# Altium PCB EmberNet Pod Layout.PcbDoc (part 1 of 2) (continued)
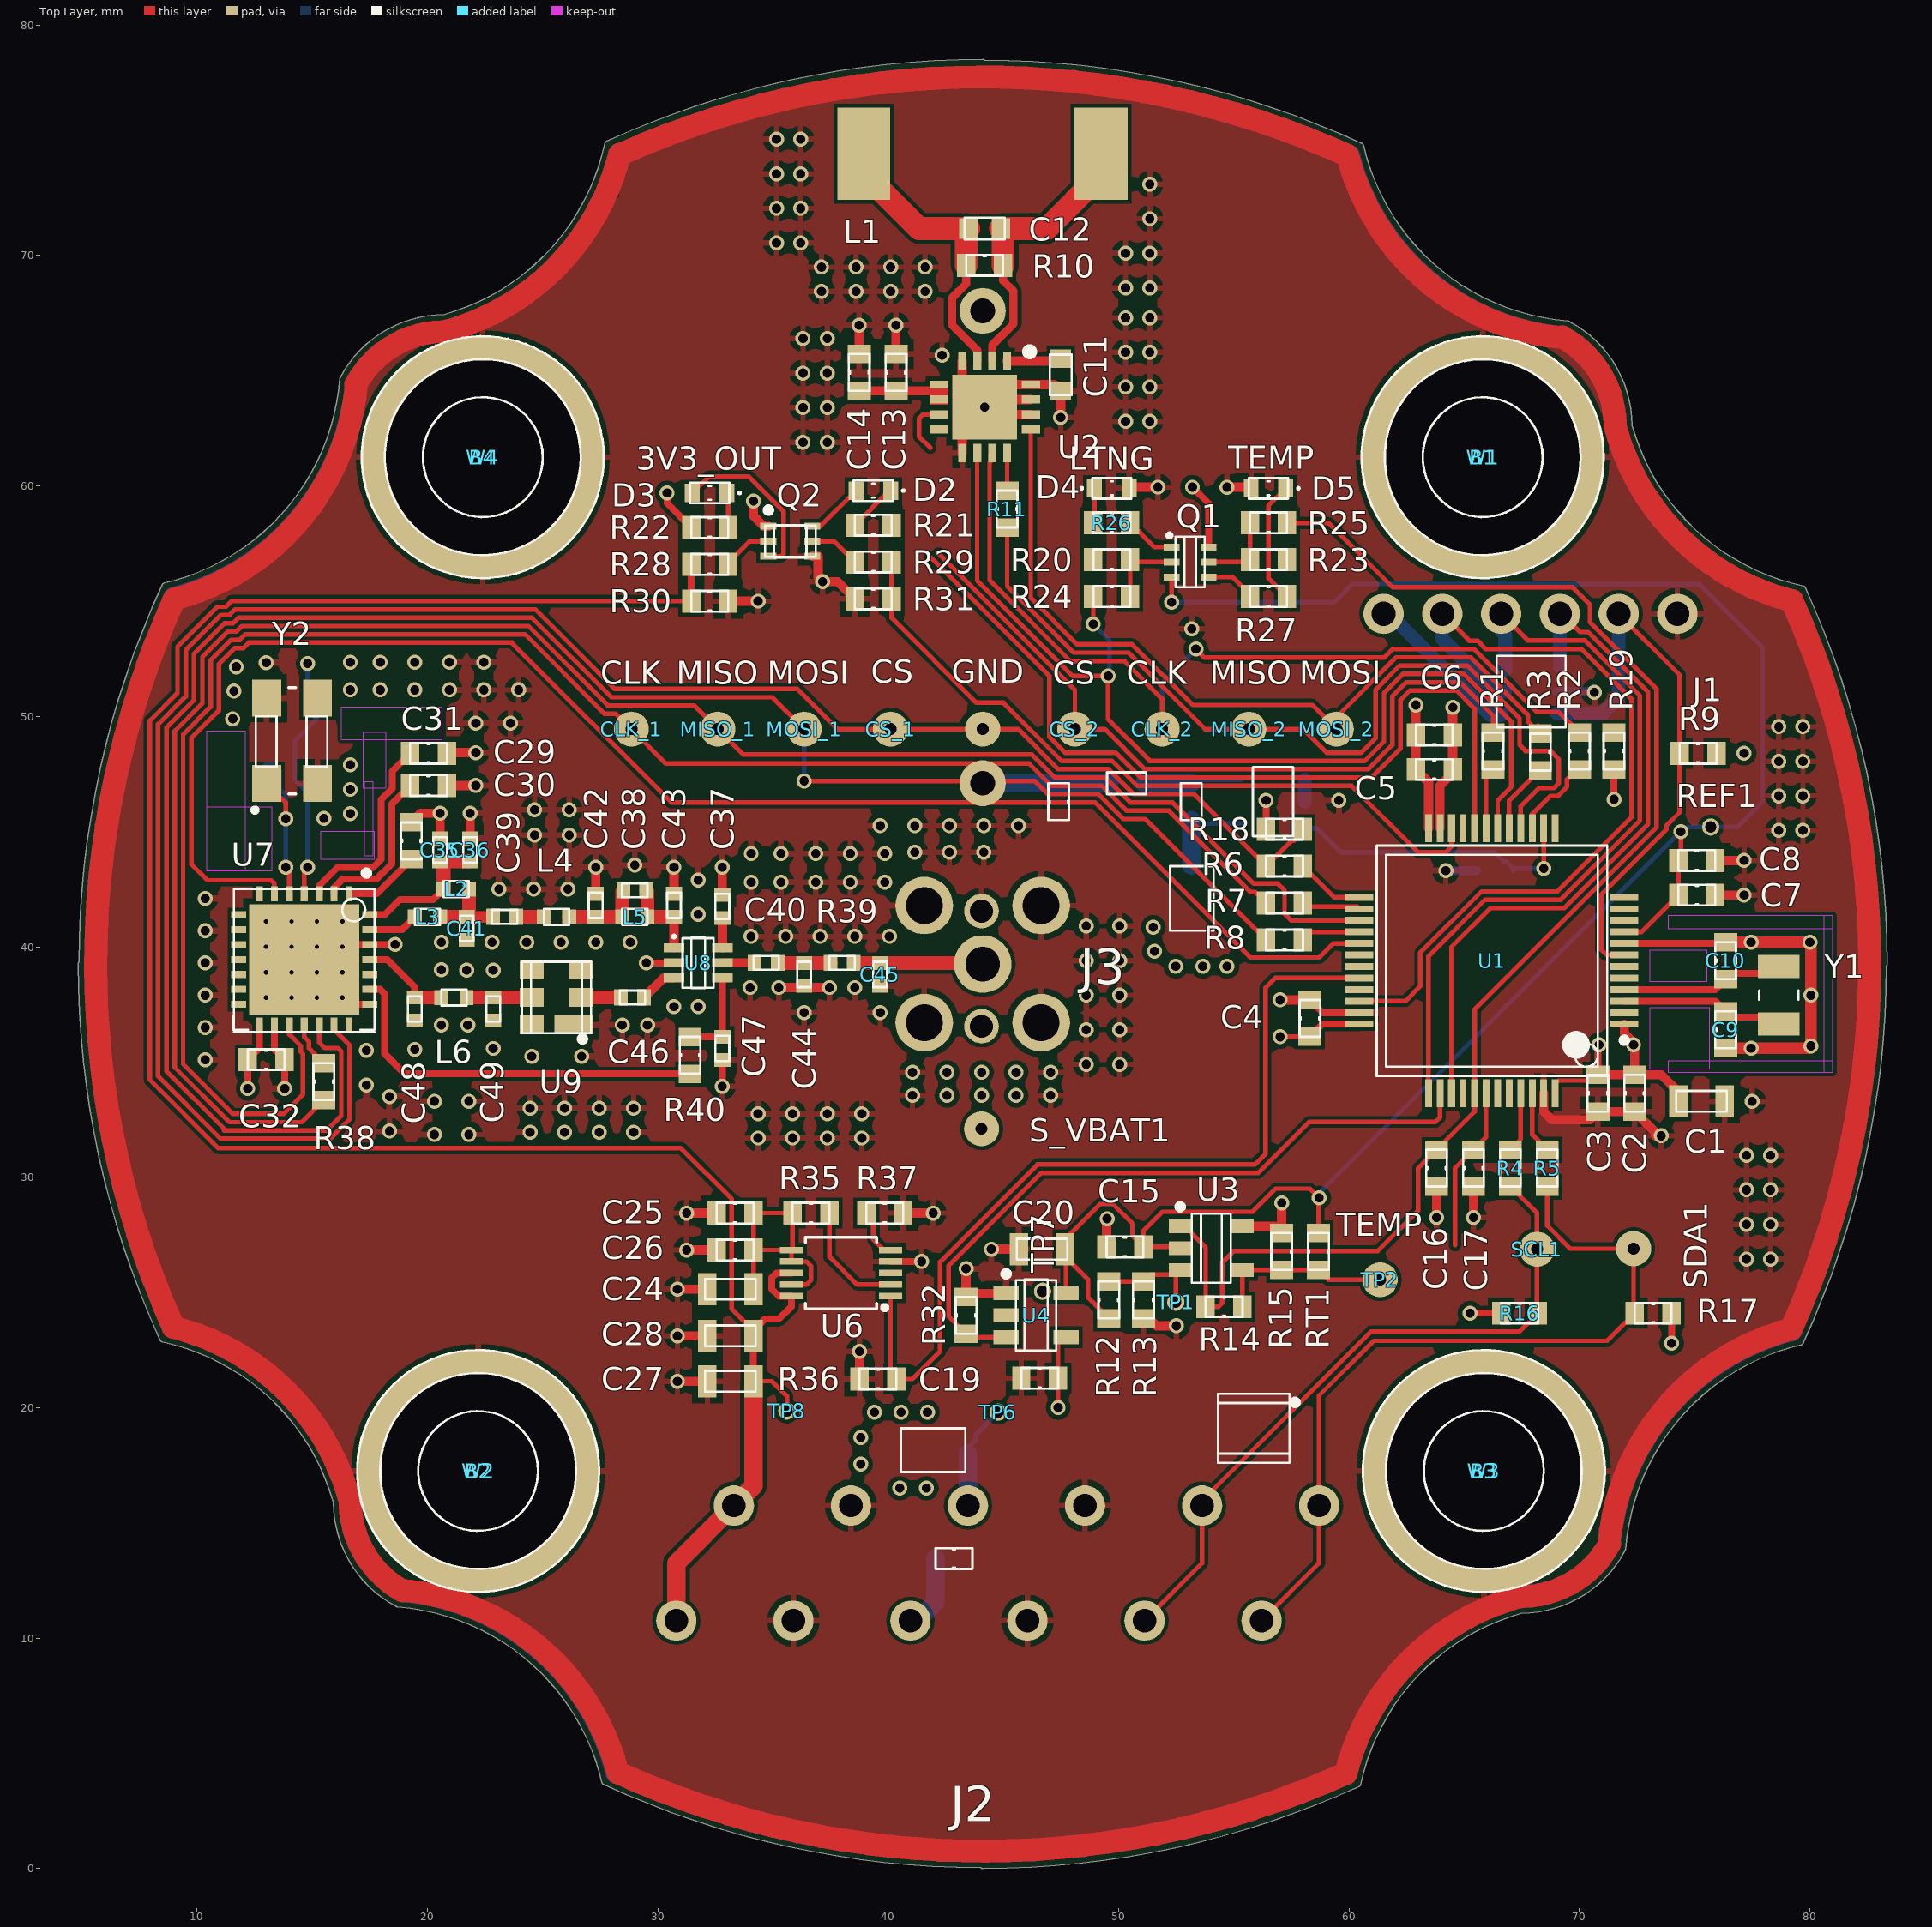
[diagram p0: Top Layer view]
## Board outline (continued)

## Design rules (kind name [scope] priority, off if disabled: settings)
Clearance [All] p1: gap=0.16 ignorepadtopadclearanceinfootprint=FALSE except(0.1: Arc-Text Track-Text SMDPad-Text THPad-Text Via-Text Fill-Text Poly-Text Region-Text Text-Text Text-Hole; 0.2: Arc-Via Track-Via SMDPad-Via THPad-Via Via-Via Via-Fill Via-Poly Via-Region Via-Hole)
PolygonConnect [All] p1: connectstyle=Relief reliefconductorwidth=0.254 reliefentries=4 polygonreliefangle="90 Angle" airgapwidth=0.254
RoutingVias [All] p1: holewidth=0.711 width=1.27 viastyle="Through Hole" minholewidth=0.711 minwidth=1.27 maxholewidth=0.711 maxwidth=1.27
SolderMaskExpansion [All] p1: expansion=0.102
Width [All] p1: maxlimit=1 minlimit=0.2 preferedwidth=0.2 minimp=50.000000 maximp=50.000000 favimp=50.000000
30 further rules are at their usual default settings.

## Classes and differential pairs
component class Sensors: C11 C12 C13 C14 C15 C16 C17 L1 R10 R11 R12 R13 R14 R15 RT1 TP1 TP2 U2 U3
component class "Power Stage": BAT1 C18 C19 C20 C21 C22 C23 C24 C25 C26 C27 C28 D6 D7 D8 GND J2 R32 R33 R34 R35 R36 R37 REF1 S_VBAT1 TP6 TP7 TP8 U4 U5 U6
component class "Off-Board Sensors": B5 B6 B7 C50 C51 C52 C53 C54 C55 D9 GND1 J4 Q3 R41 R42 R43 R44 R45 R46 S_SCL1 S_SDA1 SCL_1 SDA_1 TP25 U10 U11 U12 U13 VBAT1 W5 W6 W7
component class "Microcontroller Interface": C1 C2 C3 C4 C5 C6 C7 C8 C9 C10 D1 J1 R1 R2 R3 R4 R5 R6 R7 R8 R9 U1 Y1
component class "LoRa Transceiver": C29 C30 C31 C32 C33 C34 C35 C36 C37 C38 C39 C40 C41 C42 C43 C44 C45 C46 C47 C48 C49 J3 L2 L3 L4 L5 L6 R38 R39 R40 U7 U8 U9 Y2
component class Debug: B1 B2 B3 B4 CLK_1 CLK_2 CS_1 CS_2 D2 D3 D4 D5 MISO_1 MISO_2 MOSI_1 MOSI_2 Q1 Q2 R16 R17 R18 R19 R20 R21 R22 R23 R24 R25 R26 R27 R28 R29 R30 R31 SCL1 SDA1 W1 W2 W3 W4

## Components (designator, comment, footprint, x,y, rotation, side; value= is the part's Value field where it differs from the comment)
B1 "91290A123" "M5 SHCP" 65.8,61.25 r0 top
B2 "91290A123" "M5 SHCP" 22.2,17.25 r0 top
B3 "91290A123" "M5 SHCP" 65.85,17.25 r0 top
B4 "91290A123" "M5 SHCP" 22.4,61.25 r0 top
B5 "91290A123" "M3 SHCS" 118.1,146.15 r0 top
B6 "91290A123" "M3 SHCS" 145.45,157.95 r0 top
B7 "91290A123" "M3 SHCS" 145.5,134.416 r0 top
BAT1 "CR2450" "24.5 COIN CELL BATTERY HOLDER" 44.1,47.1 r0 bottom
C1 "CL21A475KACLRNC" "0805 CAPACITOR" 75.3,33.295 r180 top value=4.7uF
C2 "885012106022" "0603 CAPACITOR" 72.4,33.645 r90 top value=1uF
C3 "885012206046" "0603 CAPACITOR" 70.8,33.645 r90 top value=100nF
C4 "885012206046" "0603 CAPACITOR" 58.3,36.895 r270 top value=100nF
C5 "885012206046" "0603 CAPACITOR" 63.7,47.695 r180 top value=100nF
C6 "885012206046" "0603 CAPACITOR" 63.7,49.195 r180 top value=100nF
C7 "885012106022" "0603 CAPACITOR" 75.1,42.245 r180 top value=1uF
C8 "885012206046" "0603 CAPACITOR" 75.1,43.745 r180 top value=100nF
C9 "GQM1885C2A6R8CB01D" "0603 CAPACITOR" 76.35,36.4 r90 top value=6.8pF
C10 "GQM1885C2A6R8CB01D" "0603 CAPACITOR" 76.35,39.4 r90 top value=6.8pF
C11 "GRM21BR61E106MA73L" 1608[0603] 47.485,64.825 r90 top value=10uF
C12 "GRM1885C1H102JA01J" 1608[0603] 44.185,71.175 r0 top value=1nF
C13 "885012106022" "0603 CAPACITOR" 40.335,64.925 r270 top value=1uF
C14 "885012106022" "0603 CAPACITOR" 38.735,64.925 r270 top value=1uF
C15 "885012106022" "0603 CAPACITOR" 50.275,26.978 r0 top value=1uF
C16 "885012206046" "0603 CAPACITOR" 63.8,30.395 r90 top value=100nF
C17 "885012206046" "0603 CAPACITOR" 65.4,30.395 r90 top value=100nF
C18 "DB-5R5D105T" DB-5R5D105T 44.05,36.55 r90 bottom value=1F
C19 "885012206046" "0603 CAPACITOR" 46.575,21.278 r0 top value=100nF
C20 "GRM21BR61E106MA73L" "0805 CAPACITOR" 46.675,26.878 r0 top value=10uF
C21 "885012206046" "0603 CAPACITOR" 42.85,13.45 r180 bottom value=100nF
C22 "885012206046" "0603 CAPACITOR" 66.32,43.3 r0 bottom value=100nF
C23 "885012206046" "0603 CAPACITOR" 47.4,46.3 r90 bottom value=100nF
C24 "CL21A475KACLRNC" "0805 CAPACITOR" 33.15,25.142 r0 top value=4.7uF
C25 "885012206046" "0603 CAPACITOR" 33.35,28.442 r0 top value=100nF
C26 "885012206046" "0603 CAPACITOR" 33.35,26.842 r0 top value=100nF
C27 "GRM21BR61E106MA73L" "0805 CAPACITOR" 33.15,21.142 r0 top value=10uF
C28 "GRM21BR61E106MA73L" "0805 CAPACITOR" 33.15,23.116 r0 top value=10uF
C29 "885012206046" "0603 CAPACITOR" 20.05,48.4 r180 top value=100nF
C30 "885012206046" "0603 CAPACITOR" 20.05,47 r180 top value=100nF
C31 "885012206046" "0603 CAPACITOR" 19.3,44.6 r270 top value=100nF
C32 "885012206046" "0603 CAPACITOR" 13,35.1 r180 top value=100nF
C33 "GQM2195C2E140JB12D" "0805 Capacitor" 15.2,48.9 r90 bottom value=14pF
C34 "GQM2195C2E140JB12D" "0805 Capacitor" 13,48.9 r90 bottom value=14pF
C35 "GCM155R71E103KA37D" "0402 CAPACITOR" 20.55,44.2 r90 top value=10nF
C36 "GCM1555C1H470JA16D" "0402 CAPACITOR" 21.85,44.2 r270 top value=47pF
C37 "GCM155R71H102KA37D" "0402 CAPACITOR" 32.8,41.75 r90 top value=1nF
C38 "GJM1555C1H1R2CB01D" "0402 CAPACITOR" 29,42.45 r180 top value=1.2pF
C39 "GCM1555C1H220JA16D" "0402 CAPACITOR" 23.35,41.3 r0 top value=22pF
C40 "GCM1555C1H470JA16D" "0402 CAPACITOR" 34.7,39.3 r180 top value=47pF
C41 "GCM1555C1H8R2CA16D" "0402 CAPACITOR" 21.7,40.8 r90 top value=8.2pF
C42 "GCM1555C1H8R2CA16D" "0402 CAPACITOR" 27.3,41.8 r270 top value=8.2pF
C43 "GJM1555C1H3R3CB01D" "0402 CAPACITOR" 30.7,41.8 r270 top value=3.3pF
C44 "GJM1555C1H3R3CB01D" "0402 CAPACITOR" 36.35,38.8 r90 top value=3.3pF
C45 "GJM1555C1H3R3CB01D" "0402 CAPACITOR" 39.65,38.8 r90 top value=3.3pF
C46 "GCM1555C1H470JA16D" "0402 CAPACITOR" 28.9,37.8 r180 top value=47pF
C47 "GCM155R71H102KA37D" "0402 CAPACITOR" 32.8,35.59 r270 top value=1nF
C48 "GJM1555C1H3R3CB01D" "0402 CAPACITOR" 19.45,37.3 r90 top value=3.3pF
C49 "GJM1555C1H3R3CB01D" "0402 CAPACITOR" 22.85,37.3 r90 top value=3.3pF
C50 "885012206046" "0603 CAPACITOR" 154.055,150.45 r90 top value=100nF
C51 "885012106022" "0603 CAPACITOR" 148.2,151.5 r90 top value=1uF
C52 "885012206046" "0603 CAPACITOR" 152.695,139.88 r90 top value=100nF
C53 "885012206046" "0603 CAPACITOR" 150.265,137.81 r0 top value=100nF
C54 "885012106022" "0603 CAPACITOR" 141.8,151.3 r90 top value=1uF
C55 "CL21A475KACLRNC" "0805 CAPACITOR" 147.3,140.05 r90 top value=4.7uF
CLK_1 "5003" "5004 test point" 28.85,49.45 r270 top
CLK_2 "5003" "5004 test point" 51.885,49.45 r90 top
CS_1 "5003" "5004 test point" 40.1,49.45 r270 top
CS_2 "5003" "5004 test point" 48.1,49.45 r90 top
D1 "NSP4201MR6T1G" NSP4201MR6T1G#1 67.9,51.08 r180 bottom
D2 "TLMO1000-GS08" TLMO1000-GS08 39.35,59.8 r180 top
D3 "APHD1608LCGCK" APHD1608LCGCK 32.25,59.7 r180 top
D4 "TLMS1000-GS08" TLMS1000-GS08 49.7,59.9 r0 top
D5 "TLMS1000-GS08" TLMS1000-GS08 56.5,59.9 r180 top
D6 "PMEG2010ER,115" PMEG2010ER,115 41.95,18.15 r180 bottom
D7 "PMEG2010ER,115" PMEG2010ER,115 53.17,42.1 r270 bottom
D8 "NSP4201MR6T1G" NSP4201MR6T1G#2 55.86,19.1 r270 bottom
D9 "NSP4201MR6T1G" NSP4201MR6T1G#1 138.1,146.5 r180 bottom
Designator19 "Comment" "MAIN PLATFORM" 44.05,39.3 r90 bottom
Designator21 "Comment" "SENSOR PLATFORM" 135.65,145.85 r90 top
GND "5003" "5004 TEST POINT" 44.1,49.45 r0 top
GND1 "5003" "5004 test point" 119,139.75 r180 top
J1 "SSW-106-01-T-S" PPTC061LFBN-RC 61.5,54.45 r0 top
J2 "1986775-6" 1986775-6 30.8,10.75 r0 top
J3 "5-1814832-1" 5-1814832-1 44.1,39.25 r0 top
J4 "T4141012041-000" CONN4_T414101204 133.9,143.35 r180 top
L1 "100uH" MA5532 39.585,72.875 r0 top value=MA5532
L2 "LQW15AN33NJ00D" "0402 INDUCTOR" 21.25,42.5 r180 top value=33nH
L3 "LQW15AN2N7D00D" "0402 INDUCTOR" 20,41.3 r0 top value=2.7nH
L4 "LQW15AN5N6C10D" "0402 INDUCTOR" 25.6,41.3 r0 top value=5.6nH
L5 "LQW15AN5N6C10D" "0402 INDUCTOR" 29,41.3 r0 top value=5.6nH
L6 "LQG15HS10NJ02D" "0402 INDUCTOR" 21.15,37.8 r0 top value=10nH
MISO_1 "5003" "5004 test point" 32.6,49.45 r270 top
MISO_2 "5003" "5004 test point" 55.65,49.45 r90 top
MOSI_1 "5003" "5004 test point" 36.35,49.45 r270 top
MOSI_2 "5003" "5004 test point" 59.45,49.45 r90 top
Q1 "BSD 223P" "BSD 223P" 53.1,56.7 r0 top
Q2 "NTJD5121NT1G" NTJD5121NT1G 35.75,57.6 r0 top
Q3 "NTJD5121NT1G" NTJD5121NT1G 150.05,143.9 r180 top
R1 "CRCW060333R0FKEAC" "0603 RESISTOR" 66.25,48.5 r270 top value=33R
R2 "CRCW060333R0FKEAC" "0603 RESISTOR" 70,48.5 r90 top value=33R
R3 "CRCW060333R0FKEAC" "0603 RESISTOR" 68.3,48.45 r90 top value=33R
R4 "CRCW060333R0FKEAC" "0603 RESISTOR" 67,30.395 r90 top value=33R
R5 "CRCW060333R0FKEAC" "0603 RESISTOR" 68.6,30.395 r90 top value=33R
R6 "CRCW060333R0FKEAC" "0603 RESISTOR" 57.2,43.5 r0 top value=33R
R7 "CRCW060333R0FKEAC" "0603 RESISTOR" 57.2,41.895 r0 top value=33R
R8 "CRCW060333R0FKEAC" "0603 RESISTOR" 57.2,40.295 r0 top value=33R
R9 "RC0603FR-0710KL" "0603 RESISTOR" 75.15,48.4 r0 top value=10k
R10 "RC0603FR-0710KL" "0603 RESISTOR" 44.185,69.575 r0 top value=10k
R11 "CRCW060333R0FKEAC" "0603 RESISTOR" 45.16,59 r90 top value=33R
R12 "RC0603FR-0742K2L" "0603 RESISTOR" 49.575,24.678 r270 top value=42.2k
R13 "CR0603-FX-2003ELF" "0603 RESISTOR" 51.075,24.678 r90 top value=200k
R14 "RT0603FRE07220KL" "0603 RESISTOR" 54.575,24.378 r180 top value=220k
R15 "ERA-3AEB104V" "0603 RESISTOR" 57.075,26.778 r270 top value=100k
R16 "ERJ-3EKF4701V" "0603 RESISTOR" 67.4,24.1 r180 top value=4K7
R17 "ERJ-3EKF4701V" "0603 RESISTOR" 73.2,24.1 r0 top value=4K7
R18 "RC0603FR-0710KL" "0603 RESISTOR" 57.2,45.1 r180 top value=10k
R19 "RC0603FR-0710KL" "0603 RESISTOR" 71.5,48.5 r270 top value=10k
R20 "ERA-3AEB104V" "0603 RESISTOR" 49.7,56.8 r180 top value=100k
R21 "ERJ-3EKF9090V" "0603 RESISTOR" 39.35,58.3 r0 top value=909R
R22 "ERJ-3EKF9090V" "0603 RESISTOR" 32.25,58.2 r180 top value=909R
R23 "ERA-3AEB104V" "0603 RESISTOR" 56.5,56.8 r0 top value=100k
R24 "ERJ-3GEYJ132V" "0603 RESISTOR" 49.7,55.2 r180 top value=1K3
R25 "ERJ-3GEYJ132V" "0603 RESISTOR" 56.5,58.4 r0 top value=1K3
R26 "ERJ-3EKF9090V" "0603 RESISTOR" 49.7,58.4 r0 top value=909R
R27 "ERJ-3EKF6190V" "0603 RESISTOR" 56.5,55.2 r180 top value=604R
R28 "ERJ-3GEYJ132V" "0603 RESISTOR" 32.25,56.6 r180 top value=1K3
R29 "ERJ-3GEYJ132V" "0603 RESISTOR" 39.35,56.7 r0 top value=1K3
R30 "ERA-3AEB104V" "0603 RESISTOR" 32.25,55 r180 top value=100k
R31 "ERA-3AEB104V" "0603 RESISTOR" 39.35,55.1 r0 top value=100k
R32 "RC0603FR-0710KL" "0603 RESISTOR" 43.375,24.008 r270 top value=10k
R33 "HRG3216Q-30R0-D-T1" "0603 RESISTOR" 53.15,46.3 r270 bottom value=30R
R34 "ERJ-3GEYJ132V" J1-0603 50.35,47.1 r180 bottom value=1K3
R35 "RC0603FR-0720KL" "0603 RESISTOR" 36.65,28.442 r0 top value=20k
R36 "RC0603FR-0710KL" "0603 RESISTOR" 39.55,21.242 r0 top value=10k
R37 "ERJ-3GEYJ132V" "0603 RESISTOR" 39.85,28.442 r180 top value=1K3
R38 "CRCW060333R0FKEAC" "0603 RESISTOR" 15.5,34.15 r90 top value=33R
R39 "CRCW04020000Z0EDC" "0402 CAPACITOR" 38,39.3 r180 top value=0R
R40 "ESR03EZPJ102" "0603 RESISTOR" 31.4,35.29 r270 top value=1K0
R41 "CRCW060333R0FKEAC" "0603 RESISTOR" 151,146.65 r0 top value=33R
R42 "ERJ-3EKF4701V" "0603 RESISTOR" 151,148.15 r180 top value=4K7
R43 "CRCW060333R0FKEAC" "0603 RESISTOR" 147.8,146.7 r0 top value=33R
R44 "ERJ-3EKF4701V" "0603 RESISTOR" 147.8,148.2 r180 top value=4K7
R45 "RC0603FR-0710KL" "0603 RESISTOR" 146.4,143.5 r180 top value=10k
R46 "ERJ-3EKF4701V" "0603 RESISTOR" 141.1,139.8 r90 top value=4K7
REF1 "Via" "VIA TEST POINT" 75.7,45.2 r90 top
RT1 "NTCG164KF104FTDS" "0603 RESISTOR" 58.675,26.778 r90 top
S_SCL1 "5003" "5004 test point" 142.95,143.695 r180 top
S_SDA1 "5003" "5004 test point" 142.925,147.6 r180 top
S_VBAT1 "5003" "5004 test point" 44.05,32.1 r0 top
SCL1 "5003" "5004 test point" 68.159,26.878 r90 top
SCL_1 "Via" "VIA TEST POINT" 163.2,145.1 r90 top
SDA1 "5003" "5004 test point" 72.35,26.9 r90 top
SDA_1 "Via" "VIA TEST POINT" 161.65,145 r90 top
TP1 "Via" "VIA TEST POINT" 52.475,24.578 r90 top
TP2 "5003" "5004 test point" 61.35,25.55 r90 top
TP6 "Via" "VIA TEST POINT" 44.766,19.8 r180 top
TP7 "Via" "VIA TEST POINT" 46.7,25.05 r90 top
TP8 "Via" "Via test point" 35.6,19.85 r270 top
U1 "STM32L433CCT6" STM32L433CCT6 66.2,39.395 r180 top
U2 "AS3935" AS3935 44.185,63.425 r270 top
U3 "TS881ILT" TS881ILT 54.02,26.916 r0 top
U4 "LM4120IM5-3.0/NOPB" LM4120IM5-3.0/NOPB 46.418,24.008 r0 top
U5 "MAX9938WEUK+" MAX9938WEUK+ 56.7,46.3 r180 bottom
U6 "MIC2041" MIC2041 37.95,25.842 r180 top
U7 "SX1272IMLTRT" SX1272IMLTRT 14.65,39.45 r270 top
U8 "PE4259-63" PE4259-63 31.75,39.3 r0 top
U9 "SF2098E" SF2098E 25.6,37.8 r180 top
U10 "SGP30" SGP30 151.047,150.5 r0 top
U11 "CCS811" CCS811 144.1,139.8 r90 top
U12 "BME280" BME280 150.225,140.01 r180 top
U13 "AP2138N-1.8TRG1" AP2138N-1.8TRG1 145,151.4 r180 top
VBAT1 "5003" "5004 test point" 119,152.15 r180 top
W1 "91290A254" "M5 Belleville Washer" 65.8,61.25 r0 top
W2 "91290A254" "M5 Belleville Washer" 22.2,17.25 r0 top
W3 "91290A254" "M5 Belleville Washer" 65.85,17.25 r0 top
W4 "91290A254" "M5 Belleville Washer" 22.4,61.25 r0 top
W5 "91290A254" "M3 Belleville Washer" 145.45,157.9 r0 top
W6 "91290A254" "M3 Belleville Washer" 118.15,146 r0 top
W7 "91290A254" "M3 Belleville Washer" 145.5,134.4 r0 top
Y1 "NX3215SA-32.768K" NX3215SA-32.768K 78.65,37.9 r270 top
Y2 "ECS-320-10-30B-CKM-TR" ECS-320-10-30B-CKM-TR 14.7,49.8 r90 top

## Footprints (in the part's own frame and the unit in brackets; to place one, negate y for a bottom-side part, rotate by r counter-clockwise, add the part's x,y. Pads: shape width x height; smd on the part's side, far side on the other; paste and mask are expansions set on the pad)
5-1814832-1 [mm] "SMA 50ohm antenna connector"
  round 2.5 hole 1.5: 1(0,0)
  round 2.5 hole 1.6: 2(-2.54,2.54) 3(2.54,2.54) 4(-2.54,-2.54) 5(2.54,-2.54)
  body extent -5.8,-3.22 3.2,3.18, height 9.5
"24.5 COIN CELL BATTERY HOLDER" [mm] "BH1000G MPG"
  round 2 hole 1.07: 1(0,0) 2(0,-20.5)
  silkscreen extent 6.41,-22.98 11.29,0.03, body extent -13.85,-24.1 13.85,3.6, height 8.38
"0402 CAPACITOR" [mm] "Chip Capacitor, 2-Leads, Body 1.00x0.55mm, IPC Medium Density"
  rect 0.6x0.7 smd: 1(-0.5,0) 2(0.5,0)
  silkscreen extent -0.55,-0.3 0.55,0.3, body extent -0.55,-0.3 0.55,0.3, height 0.6
"0402 INDUCTOR" [mm] "Chip Inductor, 2-Leads, Body 1.00x0.60mm, IPC Medium Density"
  rect 0.6x0.65 smd: 1(-0.55,0) 2(0.55,0)
  silkscreen extent -0.55,-0.35 0.55,0.35, body extent -0.55,-0.35 0.55,0.35, height 0.6
"0603 CAPACITOR" [mm] "Chip Capacitor, 2-Leads, Body 1.55x0.85mm, IPC Medium Density"
  rect 0.8x1 smd: 1(-0.8,0) 2(0.8,0)
  silkscreen extent -0.8,-0.45 0.8,0.45, body extent -0.8,-0.45 0.8,0.45, height 0.45
"0603 RESISTOR" [mm] "0603 Resistor"
  rect 0.8x1 smd: 1(-0.8,0) 2(0.8,0)
  silkscreen extent -0.8,-0.45 0.8,0.45, body extent -0.8,-0.45 0.8,0.45, height 0.45
"0805 CAPACITOR" [mm] "0805 Capacitor"
  rect 0.8x1.4 smd: 1(-1,0) 2(1,0)
  silkscreen extent -1.1,-0.45 1.1,0.45, body extent -1.1,-0.45 1.1,0.45, height 0.45
"0805 Capacitor" [mm] "0805 Capacitor"
  rect 0.8x1.4 smd: 1(-1,0) 2(1,0)
  body extent -1.1,-0.45 1.1,0.45, height 0.45
1608[0603] [mm] "Chip Capacitor, Body 1.6x0.8mm, IPC High Density"
  rect 0.8x0.9 smd: 1(-0.7,0) 2(0.7,0)
  silkscreen extent -0.87,-0.47 0.88,0.48, body extent -0.87,-0.48 0.87,0.48, height 1.3
"5004 test point" [mil] "hook test point for Keystone pn 5004"
  round 60 hole 20.47: 1(0,0)
  body extent -70,-70 70,70, height 180
"5004 TEST POINT" [mil] "hook test point for Keystone pn 5004"
  round 60 hole 20.47: 1(0,0)
  body extent -70,-70 70,70, height 180
1986775-6 [mm] "6-position terminal block"
  round 1.75 hole 1.02: 1(0,0) 1(2.5,5) 2(5.08,0) 2(7.58,5) 3(10.16,0) 3(12.66,5) 4(15.24,0) 4(17.74,5) 5(20.32,0) 5(22.82,5) 6(25.4,0) 6(27.9,5)
  body extent -2.72,-6.54 29.26,8.26, height 14.32
AP2138N-1.8TRG1 [mm] "SOT23, 3-Leads, Body 2.96x3.60mm, Pitch 0.95mm, IPC Medium Density"
  rect 1x0.7 smd: 1(-1.3,0.95) 2(-1.3,-0.95) 3(1.3,0)
  silkscreen extent -1.43,-1.55 0.85,1.97, body extent -0.85,-1.55 0.85,1.55, height 1.45
APHD1608LCGCK [mm] "Chip Green LED , 2-Leads, Body 1.60x0.80mm, IPC Medium Density"
  rect 0.65x0.8 smd: 1(-0.75,0) 2(0.75,0)
  silkscreen extent -1.35,-0.45 0.85,0.45, body extent -0.85,-0.45 0.85,0.45, height 0.65
AS3935 [mm] "QFN16"
  rect 0.8x0.35 smd: 1(-2,0.975) 2(-2,0.325) 3(-2,-0.325) 4(-2,-0.975) 9(2,-0.975) 10(2,-0.325) 11(2,0.325) 12(2,0.975)
  rect 0.35x0.8 smd: 5(-0.975,-2) 6(-0.325,-2) 7(0.325,-2) 8(0.975,-2) 13(0.975,2) 14(0.325,2) 15(-0.325,2) 16(-0.975,2)
  rrect0% 2.8x2.8 smd: 17(0,0)
  silkscreen extent -2.56,1.79 -2.24,2.11
BME280 [mm] "SON, 8-Leads, Body 2.40x2.40mm, Pitch 0.65mm, IPC Medium Density"
  rect 0.7x0.4 smd: 1(1.102,0.975) 2(1.102,0.325) 3(1.102,-0.325) 4(1.102,-0.975) 5(-0.848,-0.975) 6(-0.848,-0.325) 7(-0.848,0.325) 8(-0.848,0.975)
  silkscreen extent -1.12,-1.25 1.83,1.25, body extent -1.12,-1.25 1.38,1.25, height 0.93
"BSD 223P" [mm] "SOT23, 6-Leads, Body 2.00x2.10mm, Pitch 0.65mm, IPC Medium Density"
  rect 0.7x0.3 smd: 1(-0.8,0.65) 2(-0.8,0) 3(-0.8,-0.65) 4(0.8,-0.65) 5(0.8,0) 6(0.8,0.65)
  silkscreen extent -0.95,-1.1 0.63,1.2, body extent -0.63,-1.1 0.63,1.1, height 1
CCS811 [mm] "PQFN, 10-Leads, Body 2.70x4.00mm, Pitch 0.60mm, Thermal Pad 2.10x2.80mm, IPC Medium Density"
  rect 1x0.4 smd: 1(-1.25,1.2) 2(-1.25,0.6) 3(-1.25,0) 4(-1.25,-0.6) 5(-1.25,-1.2) 6(1.25,-1.2) 7(1.25,-0.6) 8(1.25,0) 9(1.25,0.6) 10(1.25,1.2)
  rect 1.3x2.5 smd: 11(0,0)
  silkscreen extent -2.12,-2 1.35,2, body extent -1.35,-2 1.35,2, height 1.1
CONN4_T414101204 [mm]
  round 3.5 hole 2.4: 1(5.244,-5.244) 2(0,0) 3(0,-5.244) 4(5.244,0)
  silkscreen extent -6.51,-11.75 11.75,6.51, body extent -8.1,-12.6 11.6,7.29, height 6
DB-5R5D105T [mm]
  round 1.5 hole 1: 1(0,0) 2(5,0)
  silkscreen extent -8.5,-11 17.55,11, body extent -8.25,-10.75 13.25,10.75, height 8
ECS-320-10-30B-CKM-TR [mm] "32MHz Crystal, CL = 10pF, ESR = 25ohm"
  rect 1.6x1.25 smd: 1(-2.71,1.68) 2(0.99,1.68) 3(0.99,-0.52) 4(-2.71,-0.52)
  silkscreen extent -3.97,0.43 1.45,2.29, body extent -2.96,-1 1.24,2.2, height 0.55
J1-0603 [mm] "Chip Resistor, Body 1.6x0.8mm, IPC High Density"
  rect 0.7x0.9 smd: 1(-0.75,0) 2(0.75,0)
  silkscreen extent -0.2,-0.35 0.2,0.35, body extent -0.85,-0.48 0.85,0.48, height 0.9
LM4120IM5-3.0/NOPB [mm] "SOT23, 5-Leads, Body 2.90x2.80mm, Pitch 0.95mm, IPC Medium Density"
  rect 1.1x0.6 smd: 1(-1.3,0.95) 2(-1.3,0) 3(-1.3,-0.95) 4(1.3,-0.95) 5(1.3,0.95)
  silkscreen extent -1.42,-1.55 0.87,1.92, body extent -0.87,-1.52 0.87,1.53, height 1.45
"M3 Belleville Washer" [mm] "96445K101"
  silkscreen extent -3.2,-3.2 3.2,3.2, body extent -3,-3 3,3, height 1.25
"M3 SHCS" [mm] "91290A123"
  silkscreen extent -2.75,-2.75 2.75,2.75, body extent -2.75,-2.75 2.75,2.75, height 3.8
"M5 Belleville Washer" [mm] "96445K204"
  silkscreen extent -5.25,-5.25 5.25,5.25, body extent -5,-5 5,5, height 1.35
"M5 SHCP" [mm] "91290A254"
  round 10.5 hole 8.5: 1(0,0)
  silkscreen extent -4.25,-4.25 4.25,4.25, body extent -4.25,-4.25 4.25,4.25, height 5.8
MA5532 [mm] "100uH 500kHz antenna"
  rect 2.3x4 smd paste+0 mask+0.2: 1(-0.65,1.55) 2(9.65,1.55)
  body extent -1.3,-0.2 10.4,3.3, height 0.25
"MAIN PLATFORM" [mm]
  body extent -39.13,-39.13 39.13,39.13, height 0.8
MAX9938WEUK+ [mm] "SOT23, 6-Leads, Body 2.90x2.80mm, Pitch 0.95mm, IPC Medium Density"
  rect 1x0.6 smd: 1(-1.375,0.95) 2(-1.375,0) 3(-1.375,-0.95) 4(1.375,-0.95) 5(1.375,0.95)
  silkscreen extent -1.5,-1.5 0.5,1.92, body extent -0.88,-1.5 0.87,1.5, height 1.45
MIC2041 [mm]
  rect 1x0.28 smd: 1(-2.15,1) 2(-2.15,0.5) 3(-2.15,0) 4(-2.15,-0.5) 5(-2.15,-1) 6(2.15,-1) 7(2.15,-0.5) 8(2.15,0) 9(2.15,0.5) 10(2.15,1)
  silkscreen extent -2,-1.55 1.55,1.6, body extent -1.5,-1.5 4.25,2.29, height 0.25
NSP4201MR6T1G#1 [mm] "SOT23, 6-Leads, Body 3.00x2.75mm, Pitch 0.95mm, IPC Medium Density"
  rect 1.2x0.6 smd: 1(-1.125,0.95) 2(-1.125,0) 3(-1.125,-0.95) 4(1.125,-0.95) 5(1.125,0) 6(1.125,0.95)
  silkscreen extent -1.25,-1.55 1.1,1.92, body extent -1.5,-1.55 1.5,1.55, height 1
NSP4201MR6T1G#2 [mm] "SOT23, 6-Leads, Body 3.00x2.75mm, Pitch 0.95mm, IPC Medium Density"
  rect 1.2x0.6 smd: 1(-1.125,-0.95) 2(-1.125,0) 3(-1.125,0.95) 4(1.125,0.95) 5(1.125,0) 6(1.125,-0.95)
  body extent -1.5,-1.55 1.5,1.55, height 1
NTJD5121NT1G [mm] "SOT23, 6-Leads, Body 1.25x2.10mm, Pitch 0.65mm, IPC Medium Density"
  rect 0.7x0.3 smd: 1(-0.95,0.65) 2(-0.95,0) 3(-0.95,-0.65) 4(0.95,-0.65) 5(0.95,0) 6(0.95,0.65)
  silkscreen extent -1.1,-0.7 1.1,1.47, body extent -1.1,-0.67 1.1,0.68, height 1.1
NX3215SA-32.768K [mm]
  rect 1x1.8 smd: 1(-1.25,0) 2(1.25,0)
  silkscreen extent -0.2,-0.85 0.2,0.85, body extent -1.65,-0.75 1.6,0.8, height 0.55
PE4259-63 [mm] "SOT23, 6-Leads, Body 2.05x2.10mm, Pitch 0.65mm, IPC Medium Density"
  rect 0.9x0.4 smd: 1(-1.05,0.65) 2(-1.05,0) 3(-1.05,-0.65) 4(1.05,-0.65) 5(1.05,0) 6(1.05,0.65)
  silkscreen extent -1.05,-1.1 0.67,1.15, body extent -0.67,-1.07 0.67,1.08, height 1
PMEG2010ER,115 [mm] "SODFL, 2-Leads, Body 1.70x3.50mm, IPC Medium Density"
  rect 1.1x1.1 smd: 1(-1.4,0) 2(1.4,0)
  silkscreen extent -1.9,0.8 -1.8,0.9, body extent -1.4,-0.95 1.4,0.95, height 1.1
PPTC061LFBN-RC [mm] "6-position 100mil header"
  round 1.75 hole 1.05: 1(0,0) 2(2.55,0) 3(5.1,0) 4(7.65,0) 5(10.2,0) 6(12.75,0)
  body extent -1.49,-1.25 14.29,1.3, height 8.5
"SENSOR PLATFORM" [mm]
  body extent -14.95,-20.6 15.6,21.15, height 0.9
SF2098E [mm] "915MHz SAW filter"
  rect 1.7x0.81 smd: 1(-0.76,1.19)
  rect 1.05x0.81 smd: 2(-1.085,0) 3(-1.085,-1.19) 4(1.075,-1.19) 5(1.075,0) 6(1.075,1.19)
  silkscreen extent -1.5,-1.55 1.5,1.92, body extent -1.5,-1.53 1.5,1.57, height 1.25
SGP30 [mm] "SON, 6-Leads, Body 2.48x2.48mm, Pitch 0.80mm, Thermal Pad 0.00x0.00mm, IPC Medium Density"
  rect 0.8x0.4 smd: 1(-1.375,0.75) 2(-1.375,-0.05) 3(-1.375,-0.85) 4(1.375,-0.85) 5(1.375,-0.05) 6(1.375,0.75)
  rect 1.25x1.7 smd: 7(-0.05,-0.05)
  silkscreen extent -1.55,-1.4 1.2,1.3, body extent -1.3,-1.25 1.2,1.25, height 0.9
STM32L433CCT6 [mm] "TSQFP, 48-Leads, Body 10.00x10.00mm, Pitch 0.50mm, IPC Medium Density"
  rect 1.2x0.3 smd: 1(-5.75,2.75) 2(-5.75,2.25) 3(-5.75,1.75) 4(-5.75,1.25) 5(-5.75,0.75) 6(-5.75,0.25) 7(-5.75,-0.25) 8(-5.75,-0.75) 9(-5.75,-1.25) 10(-5.75,-1.75) 11(-5.75,-2.25) 12(-5.75,-2.75) 25(5.75,-2.75) 26(5.75,-2.25) 27(5.75,-1.75) 28(5.75,-1.25) 29(5.75,-0.75) 30(5.75,-0.25) 31(5.75,0.25) 32(5.75,0.75) 33(5.75,1.25) 34(5.75,1.75) 35(5.75,2.25) 36(5.75,2.75)
  rect 0.3x1.2 smd: 13(-2.75,-5.75) 14(-2.25,-5.75) 15(-1.75,-5.75) 16(-1.25,-5.75) 17(-0.75,-5.75) 18(-0.25,-5.75) 19(0.25,-5.75) 20(0.75,-5.75) 21(1.25,-5.75) 22(1.75,-5.75) 23(2.25,-5.75) 24(2.75,-5.75) 37(2.75,5.75) 38(2.25,5.75) 39(1.75,5.75) 40(1.25,5.75) 41(0.75,5.75) 42(0.25,5.75) 43(-0.25,5.75) 44(-0.75,5.75) 45(-1.25,5.75) 46(-1.75,5.75) 47(-2.25,5.75) 48(-2.75,5.75)
  silkscreen extent -5.88,-5 5,5, body extent -5,-5 5,5, height 1.6
SX1272IMLTRT [mm] "PQFN, 28-Leads, Body 6.00x6.00mm, Pitch 0.65mm, Thermal Pad 5.00x5.00mm, IPC Medium Density"
  rect 0.65x0.3 smd: 1(-2.85,1.95) 2(-2.85,1.3) 3(-2.85,0.65) 4(-2.85,0) 5(-2.85,-0.65) 6(-2.85,-1.3) 7(-2.85,-1.95) 15(2.85,-1.95) 16(2.85,-1.3) 17(2.85,-0.65) 18(2.85,0) 19(2.85,0.65) 20(2.85,1.3) 21(2.85,1.95)
  rect 0.3x0.65 smd: 8(-1.95,-2.85) 9(-1.3,-2.85) 10(-0.65,-2.85) 11(0,-2.85) 12(0.65,-2.85) 13(1.3,-2.85) 14(1.95,-2.85) 22(1.95,2.85) 23(1.3,2.85) 24(0.65,2.85) 25(0,2.85) 26(-0.65,2.85) 27(-1.3,2.85) 28(-1.95,2.85)
  rect 4.8x4.8 smd: 29(0,0)
  silkscreen extent -3.87,-3.1 3.15,3.05, body extent -3.05,-3.05 3.05,3.05, height 1
TLMO1000-GS08 [mm] "Chip Orange LED , 2-Leads, Body 1.60x0.80mm, IPC Medium Density"
  rect 0.65x0.8 smd: 1(-0.75,0) 2(0.75,0)
  silkscreen extent -1.35,-0.45 0.85,0.45, body extent -0.85,-0.45 0.85,0.45, height 0.65
TLMS1000-GS08 [mm] "Chip Red LED , 2-Leads, Body 1.60x0.80mm, IPC Medium Density"
  rect 0.65x0.8 smd: 1(-0.75,0) 2(0.75,0)
  silkscreen extent -1.35,-0.45 0.85,0.45, body extent -0.85,-0.45 0.85,0.45, height 0.65
TS881ILT [mm] "SOT23, 5-Leads, Body 2.90x2.80mm, Pitch 0.95mm, IPC Medium Density"
  rect 1x0.6 smd: 1(-1.35,0.95) 2(-1.35,0) 3(-1.35,-0.95) 4(1.35,-0.95) 5(1.35,0.95)
  silkscreen extent -1.47,-1.5 0.85,1.92, body extent -0.85,-1.5 0.85,1.5, height 1.45
"VIA TEST POINT" [mm]
  round 0.75 hole 0.5: 1(0,0)
"Via test point" [mm]
  round 0.75 hole 0.5: 1(0,0)

## Part data
B1 B2 B3 B4 B5 B6 B7: library part Screw
BAT1: library part "Coin Cell Battery"
C1 C2 C3 C4 C5 C6 C7 C8 C11 C12 C13 C14 C15 C16 C17 C19 C20 C21 C22 C23 C24 C25 C26 C27 C28 C29 C30 C31 C32 C35 C36 C37 C38 C39 C40 C41 C42 C43 C44 C45 C46 C47 C48 C49 C50 C51 C52 C53 C54 C55: library part "Cap Semi", "Capacitor (Semiconductor SIM Model)", LatestRevisionDate=29-May-2009, LatestRevisionNote="IPC-7351 Footprint Added.", PackageDescription="Chip Capacitor", PackageReference=C1206, Published=8-Jun-2000, Publisher="Altium Limited"
C9 C10: library part "Cap Semi", LatestRevisionDate=29-May-2009, LatestRevisionNote="IPC-7351 Footprint Added.", PackageDescription="Chip Capacitor", PackageReference=C1206, Published=8-Jun-2000, Publisher="Altium Limited"
  C9: Size=0603
C18: library part "Cap Pol1", "Polarized Capacitor (Radial)", LatestRevisionDate=17-Jul-2002, LatestRevisionNote="Re-released for DXP Platform.", PackageDescription="Polarized Capacitor (Radial); 2 Leads", PackageReference=RB7.6-15, Published=8-Jun-2000, Publisher="Altium Limited"
C33 C34: library part "Cap Semi", "GQM1885C2A6R8CB01D", LatestRevisionDate=29-May-2009, LatestRevisionNote="IPC-7351 Footprint Added.", PackageDescription="Chip Capacitor", PackageReference=C1206, Published=8-Jun-2000, Publisher="Altium Limited", Size=0603
CLK_1 CLK_2 CS_1 CS_2 GND GND1 MISO_1 MISO_2 MOSI_1 MOSI_2 S_SCL1 S_SDA1 S_VBAT1 SCL1 SDA1 TP2 VBAT1: library part "Hook Test Point", "Hook-type test point"
D1 D8 D9: "5V TVS"
D2 D3 D4 D5: library part LED1, "Typical RED GaAs LED", LatestRevisionDate=08-Jul-2005, LatestRevisionNote="Mech Layer 1 removed.", PackageDescription="LED; 2 Leads", PackageReference=LED-1, Published=8-Jun-2000, Publisher="Altium Limited"
D6 D7: library part Diode, "Default Diode", Code_JEDEC=DO-214-AB, LatestRevisionDate=17-Jul-2002, LatestRevisionNote="Re-released for DXP Platform.", PackageDescription="DO-214-AB/SMC; 2 C-Bend Leads; Body 7.9 x 5.9 mm, inc. leads (LxW)", PackageReference=SMC, PackageVersion=Sep-1996, Published=8-Jun-2000, Publisher="Altium Limited"
J1: library part PPTC061LFBN-RC, "6-position 100mil header with female sockets"
J3: library part "SMA Antenna Connector", "50-ohm SMA Antenna connector"
J4: "4-Pin M12 sealed connector"
L1 L2 L3 L4 L5 L6: library part Inductor, "Inductor", Code_IEC=1005, Code_JEITA=0402, LatestRevisionDate=29-May-2009, LatestRevisionNote="IPC-7351 Footprint Added.", PackageDescription="Chip Inductor", PackageReference=0402-A, Published=8-Jun-2000, Publisher="Altium Limited"
Q1: "2- part logic P-FET"
Q2 Q3: "2-part N-Channel MOSFET"
R1 R2 R3 R4 R5 R6 R7 R8 R9 R10 R11 R12 R13 R14 R15 R16 R17 R18 R19 R20 R21 R22 R23 R24 R25 R26 R27 R28 R29 R30 R31 R32 R34 R35 R36 R37 R38 R39 R40 R41 R42 R43 R44 R45 R46: library part Res3, "Resistor", LatestRevisionDate=29-May-2009, LatestRevisionNote="IPC-7351 Footprint Added.", PackageDescription="Chip Resistor", PackageReference=J1-0603, Published=8-Jun-2000, Publisher="Altium Limited"
R33: library part Res3, "Current Sense Resistor", LatestRevisionDate=29-May-2009, LatestRevisionNote="IPC-7351 Footprint Added.", PackageDescription="Chip Resistor", PackageReference=J1-0603, Published=8-Jun-2000, Publisher="Altium Limited"
REF1 SCL_1 SDA_1 TP1 TP6 TP7 TP8: library part "Via Test Point", "Test point in the form of a via"
RT1: library part "Res Thermal", "Thermistor", Value @25C=100k, Code_IPC=RESC2012, LatestRevisionDate=29-May-2009, LatestRevisionNote="IPC-7351 Footprint Added.", PackageDescription="Chip Resistor 0805 Case Size", PackageReference=6-0805, PackageVersion=Mar-2003, Published=24-Mar-1999, Publisher="Altium Limited"
U1: "MCU 32-Bit STM32L433xx ARM Cortex M4 RISC 256KB Flash 1.8V/2.7V/3.3V 48-Pin LQFP Tray", Package="LQFP-48 STMicroelectronics", Digi-Key_Part_Number=497-16579-ND, Digi-Key_Purchase_URL=https://www.digikey.com/product-detail/en/stmicroelectronics/STM32L433CCT6/497-16579-ND/6132750?utm_source=snapeda&utm_medium=aggregator&utm_campaign=symbol, MF=STMicroelectronics, MP=STM32L433CCT6, SnapEDA_Link=https://www.snapeda.com/parts/STM32L433CCT6/STMicroelectronics/view-part/?ref=snap
U2: "Lightning Sensor"
U3: "Low-power comparator"
U4: "3V Voltage reference IC"
U5: "Current sense amplifier, 200V/V"
U6: "Low-power switch with feedback control"
U7: "SX1272 Series 860-1020 MHz 300 kbps Low Power Long Range Transceiver - QFN-28EP", Package="VQFN-28 Semtech", Supplier Part Number 1=SX1272IMLTRTDKR-ND, Availability=Unavailable, MF=Semtech, MP=SX1272IMLTRT, Price=None, SnapEDA_Link=https://www.snapeda.com/parts/SX1272IMLTRT/Semtech%20Corporation/view-part/?ref=snap, Supplier 1=Digi-Key
U8: "RF Switch"
U9: "SAW Filter 915MHz 50 Ohm SMD 6-Pin Case-SM3030 T/R", Package="SMD-6 Murata", Availability=Unavailable, MF="Murata Electronics", MP=SF2098E, Price=None, SnapEDA_Link=https://www.snapeda.com/parts/SF2098E/Murata%20Electronics%20North%20America/view-part/?ref=snap
U10: "eCO2 sensor"
U11: "AMS Gas sensor"
U12: "Environmental Sensor"
U13: "1V8 STO23-3 250mA Linear Regulator"
W1 W2 W3 W4 W5 W6 W7: library part Washer
Y1: library part XTAL, "-STD-MUA-14, 6pF", LatestRevisionDate=17-Jul-2002, LatestRevisionNote="Re-released for DXP Platform.", PackageDescription="Crystal, Thru-Hole; 2 Leads; Body 3.1 x 8.2 mm (Dia.xH)", PackageReference=R38, Published=8-Jun-2000, Publisher="Altium Limited"
Y2: "32MHz, ESR 25ohm, CL 10pF, fd 10ppm 4SMD"

## Via types
v1: diameter 0.65, hole 0.397, Top Layer to Bottom Layer, 281 vias
v2: diameter 0.5, hole 0.2, Top Layer to Bottom Layer, 18 vias

## Nets (pads, with @x,y where several pads share a name; then routed paths per layer and width w, separated by ;. In a path a pad name is that pad's centre, name@x,y a point inside that pad or via, vN(x,y) a via of type N, cw(c..) or ccw(c..) an arc to the next point about the centre after c; other vN are vias at no path point)
1V8: C50.2 C51.2 R41.1 R42.2 R43.1 R44.2 U10.1 U10.5 U13.2 | length 6.9
  Top Layer w0.2: U13.2@146.3,152.35 U13.2@146.35,152.3 ; R43.1@147,146.7 R44.2@147,148.2
  Top Layer w0.4: R41.1@150.2,146.65 R42.2@150.2,148.15 ; U10.5@152.422,150.45 153.255,150.45 C50.2@154.055,151.25
  Top Layer w0.6: U13.2@146.35,152.3 C51.2@148.2,152.3
3V0_REF: C7.2 C8.2 C15.2 C20.2 Q1.3 R12.2 R23.2 REF1.1 RT1.2 U1.9 U3.2 U4.5 | length 90.4
  Top Layer w0.2: U4.5@47.718,24.958 C20.2@47.718,26.523 ; R12.2@49.575,23.878 48.675,24.778 48.675,25.566 C20.2@47.718,26.523 ; C15.2@51.075,27.078 51.075,27.678 51.897,28.5 55.814,28.5 56.816,29.503 58.297,29.503 58.675,29.125 RT1.2@58.675,27.578 ; v1(52.3,54.95) Q1.3@52.3,56.05 ; U3.2@52.67,26.916 52.608,26.978 C15.2@51.075,26.978 50.595,27.458 50.595,27.989 49.759,28.825 49.729,28.825 49.718,28.836 49.2,28.836 47.675,27.311 C20.2@47.675,26.878 47.675,26.778 47.718,26.735 C20.2@47.718,26.523 ; U1.9@71.95,40.645 72.7,40.645 C7.2@74.3,42.245 C8.2@74.3,43.745 74.4,43.845 v1(74.4,45)
  Bottom Layer w0.2: v1(52.3,54.95) 59.35,54.95 60.15,55.75 63.508,55.75 63.518,55.74 75.202,55.74 77.95,52.992 77.95,46.3 76.85,45.2 REF1.1@75.7,45.2 74.722,45.2 74.522,45 v1(74.4,45) 58.7,29.3 v1(58.7,29.1)
3V3_OUT: C27.2 C28.2 D8.4 J2.1 R28.2 R30.2 TP8.1 U6.8 U6.10 | length 98.8
  Top Layer w0.2: R30.2@31.45,55 11.5,55 11.26,54.76 10.881,54.76 9.15,53.029 9.15,51.013 7.95,49.813 7.95,34.232 10.922,31.26 31,31.26 33.21,29.05 33.21,24.282 34.15,23.342 C28.2@34.15,23.116 ; C27.2@34.15,21.15 34.95,21.15 35.6,20.5 TP8.1@35.6,19.85
  Top Layer w0.3: R30.2@31.45,55 R28.2@31.45,56.6 ; C27.2@34.15,21.15 C28.2@34.15,23.116 ; C28.2@34.15,23.342 34.65,23.842 35.25,23.842 35.8,24.392 U6.10@35.8,24.842 35.25,24.842 34.95,25.142 34.95,25.642 35.15,25.842 U6.8@35.8,25.842
  Top Layer w0.8: J2.1@30.8,10.75 30.8,13.25 J2.1@33.3,15.75 34.15,16.6 C27.2@34.15,21.142 C27.2@34.15,21.15